# KiCad board SONATA-ONE.kicad_pcb (continued)
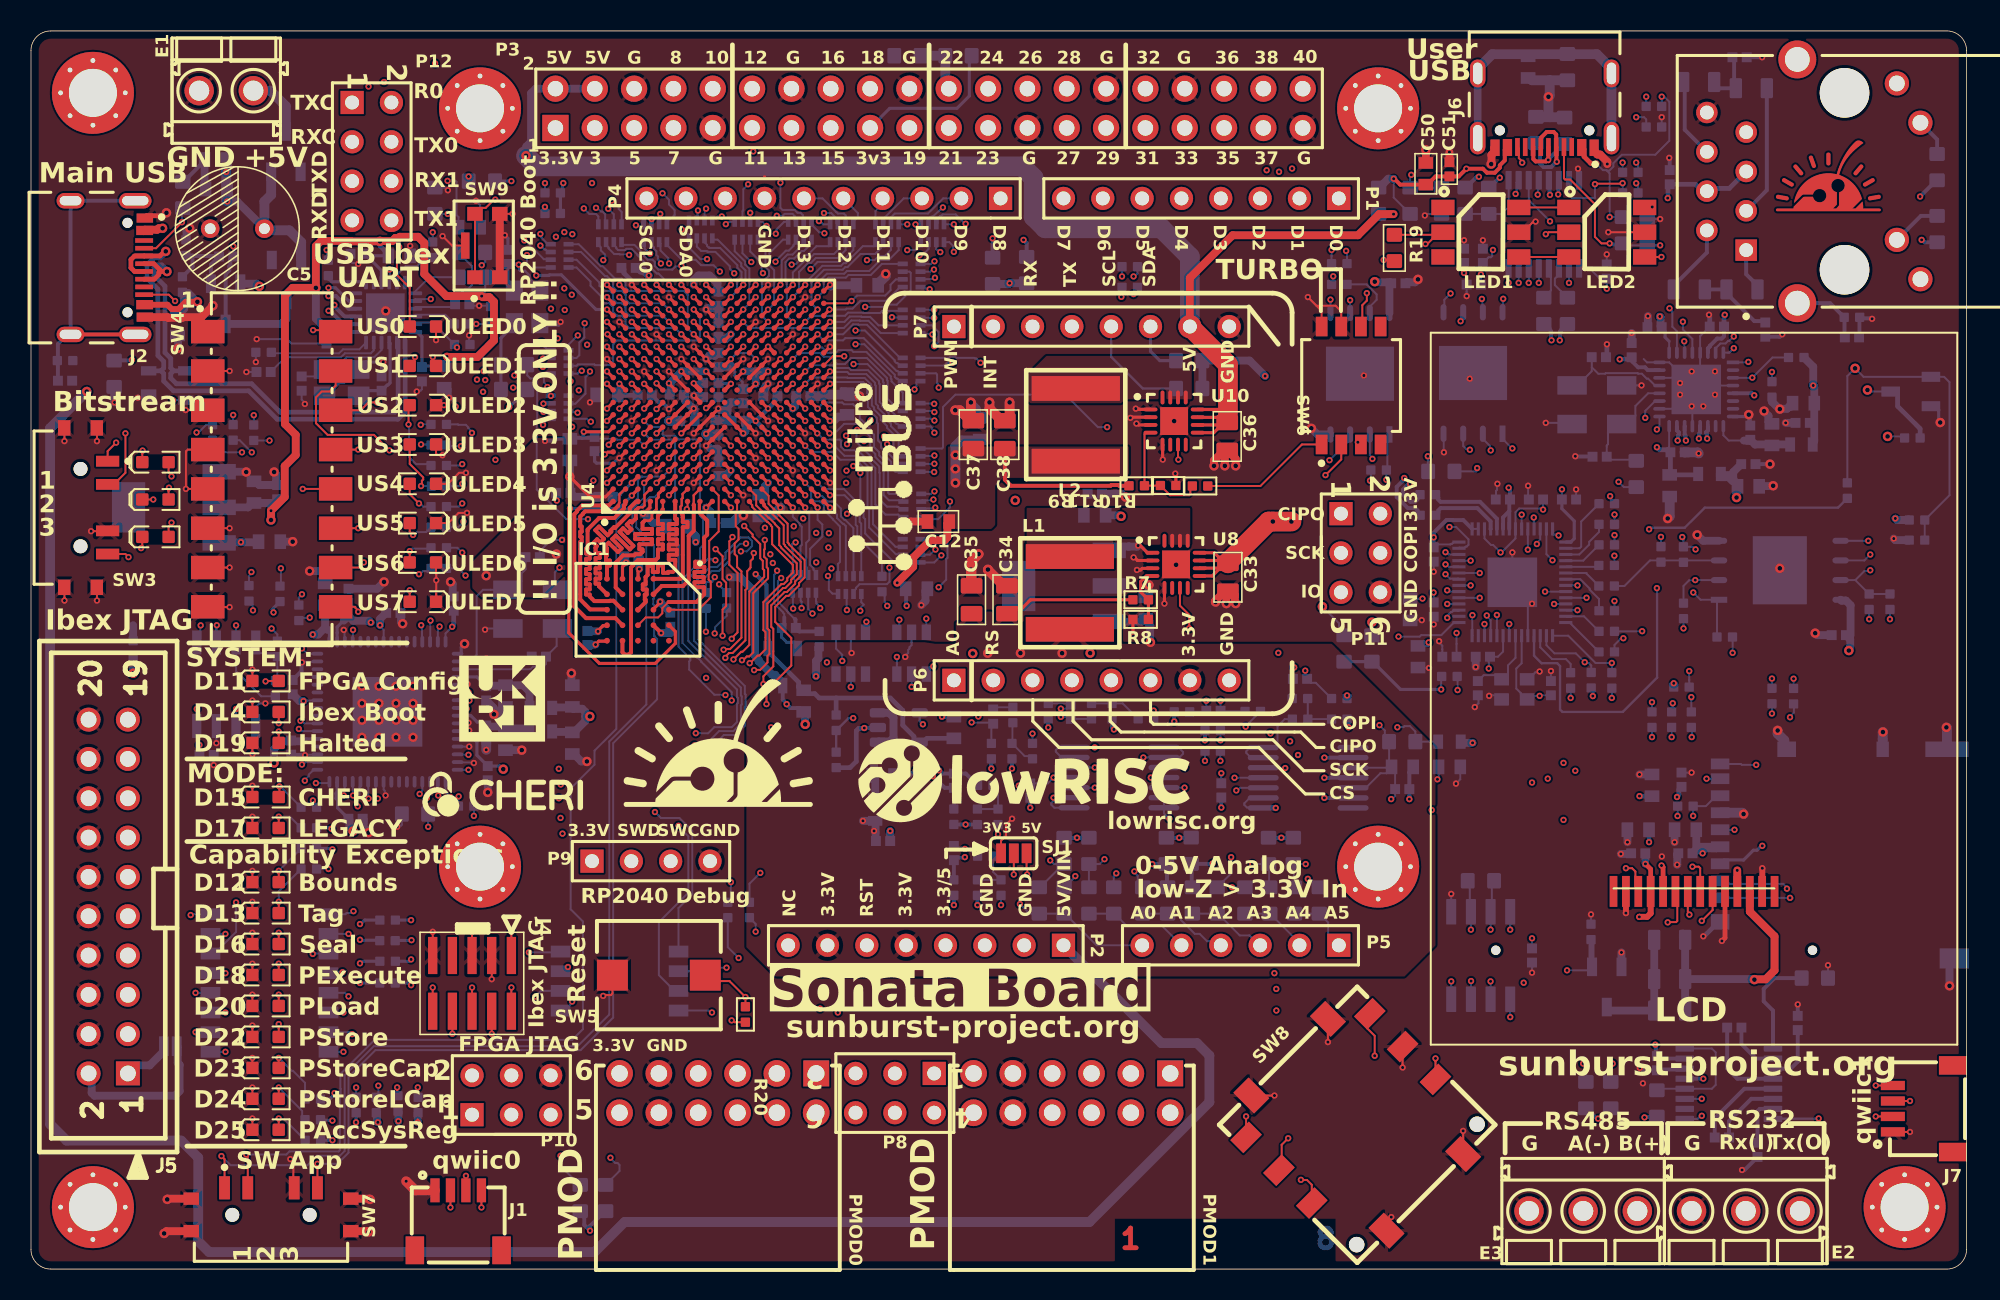
[diagram p0: board, top side]
## Routing (per net, layer and track width the routed paths; a pad name or vN(x,y) marks a point on that pad's centre or on a via; arc(x,y) is an arc through that point) (continued)
/Header Pins/RPH_G22: length 13.3
  In6.Cu w0.127: P3.15 50.86,72.94 50.86,68.79 50.24,68.17 50.24,67.94 49.49,67.19 48.36,67.19 48.26,67.29 48.16,67.29 47.79,67.67 47.79,67.84 47.71,67.92 47.02,67.92 46.6,67.5 44.89,67.5 v2(44.87,67.52)
  Bottom w0.127: v2(44.87,67.52) 44.95,67.52 45.1,67.67 R177.4B
/Header Pins/RPH_G23: length 11.5
  In6.Cu w0.127: v2(48.17,68.06) 48.22,68.11 48.52,68.11 48.68,68.27 48.68,69.92 50.34,71.58 50.34,71.86 50.55,72.07 50.55,75.17 P3.16
  Bottom w0.127: R182.3B 49.32,67.75 49.32,68.04 49.18,68.18 48.68,68.18 48.56,68.07 48.18,68.07 v2(48.17,68.06)
/Header Pins/RPH_G24: length 14.1
  In6.Cu w0.127: v2(48.1,66.9) 48.77,66.9 48.87,66.8 49.46,66.8 50.49,67.83 50.49,68.07 51.3,68.87 51.3,71.5 52.97,73.17 52.97,75.05 P3.18
  Bottom w0.127: v2(48.1,66.9) 48.15,66.95 48.15,67.18 48.63,67.67 R182.4B
/Header Pins/RPH_G25: length 26.5
  In4.Cu w0.127: v2(58.22,60.39) 58.18,60.39 57.92,60.65 57.83,60.65 55.43,63.05 55.43,63.83 55.7,64.09 55.7,64.51 55.43,64.77 55.43,65.19 53.71,66.91 53.71,71.43 55.32,73.04 55.32,74.95 55.4,75.02 58.02,75.02 P3.22
  Bottom w0.127: R183.1B 57.49,60.43 58.17,60.43 v2(58.22,60.39)
  Bottom w0.635: R213.2 R212.1 59.05,76.49 P3.22
/Header Pins/RPH_G26: length 35.2
  In6.Cu w0.127: P3.37 77.78,71.92 77.78,67.32 77.35,66.89 62.36,66.89 62.26,66.99 61.94,66.99 61.84,66.89 51.28,66.89 v2(51.24,66.93)
  Bottom w0.127: R182.1B 50.4,67.49 50.91,66.98 51.19,66.98 v2(51.24,66.93)
/Header Pins/RPH_G27: length 7.4
  In6.Cu w0.127: v2(46.31,70.09) 46.31,70.93 P3.13
  Bottom w0.127: 46.32,70.09 46,69.78 46,68.41 45.95,68.35 R177.3B
/Header Pins/RPH_RXD0: length 11
  In6.Cu w0.127: P3.10 45.32,74.98 45.32,71.89 45.61,71.6 45.61,69.86 45.81,69.66 45.81,69.65 45.83,69.63 arc(45.85,69.59) 45.86,69.54 45.9,68.41 45.9,68.3 45.61,68.01 v2(44.61,68.01)
  Bottom w0.127: v2(44.61,68.01) 44.36,68.01 44.29,67.94 44.1,67.94 44,67.84 44,67.67
/Header Pins/RPH_TXD0: length 10.8
  In6.Cu w0.127: v2(43.6,68.52) 43.55,68.56 43.55,70.18 41.33,72.41 40.61,72.41 40.45,72.57 40.45,74.96 41.49,76 P3.8
  Bottom w0.127: v2(43.6,68.52) 43.5,68.42 43.5,67.67
/Header Pins/SCL0: length 155.4
  Top w0.127: v2(29.09,3.98) J1.4
  In4.Cu w0.127: v2(58.4,49.2) 58.39,49.21 58.2,49.21 57.42,50 57.42,50.82 56.48,51.76 56.48,53.11 54.7,54.89 54.7,61.9 50.97,65.63 45.79,65.63 44.67,66.74 44.06,66.74 42.65,68.15 41.75,68.15 41.24,68.66 40.57,68.66 40.05,69.18 P4.10
  In6.Cu w0.127: 37.85,6.76 38.01,6.93 72.94,6.93 91.22,25.21 91.22,32.58 74.67,49.13 66.61,49.13 66.57,49.17 58.43,49.17 v2(58.4,49.2) ; 37.85,6.76 35.06,3.98 v2(29.09,3.98) ; 37.85,6.76 v2(37.42,7.19)
  Bottom w0.127: v2(37.42,7.19) 37.42,7.17 37.73,6.86 37.88,6.86 38.01,6.72 38.01,6.34 37.52,5.84 37.52,5.82 37.13,5.44 R126.2 ; v2(58.4,49.2) 58.35,49.15 57.55,49.15 R170.2B
/Header Pins/SCL1: length 105.4
  Top w0.127: v2(119.14,11.86) J7.4
  In1.Cu w0.127: v2(119.14,11.86) 116.11,8.83 103.77,8.83 102.14,10.46 v2(102.14,13.28)
  In6.Cu w0.127: v2(58.35,50.25) 61.25,50.25 61.74,50.75 64.57,50.75 64.67,50.85 74.33,50.85 100.6,24.58 111.87,24.58 119.14,17.32 v2(119.14,11.86)
  Bottom w0.127: v2(58.35,50.25) 58.27,50.25 58.11,50.09 57.63,50.09 57.56,50.16 R170.4B ; R128.2 102.02,13.07 102.14,13.2 v2(102.14,13.28)
/Header Pins/SDA0: length 164.9
  Top w0.127: J1.3 v2(28.09,6.02)
  In4.Cu w0.127: P4.9 43.49,69.18 44.22,68.45 44.22,67.59 45.94,65.88 51.08,65.88 54.95,62.01 54.95,54.99 56.73,53.22 56.73,52.55 59.29,49.98 59.29,49.65 v2(59.35,49.6)
  In6.Cu w0.127: 28.52,3.97 29,3.5 37.25,3.5 39.28,5.53 71.9,5.53 91.48,25.11 91.48,32.68 74.78,49.39 67.2,49.39 66.43,50.16 62.34,50.16 61.78,49.6 v2(59.35,49.6) ; 28.52,3.97 31.87,7.32 v2(34.2,7.32) ; 28.52,3.97 28.09,4.41 v2(28.09,6.02)
  Bottom w0.127: R125.2 35.42,5.44 34.2,6.66 v2(34.2,7.32) ; R170.1B 58.12,48.59 58.25,48.45 58.58,48.45 59.33,49.2 59.33,49.58 v2(59.35,49.6)
/Header Pins/SDA1: length 109.2
  Top w0.127: J7.3 v2(121.35,10.86)
  In1.Cu w0.127: v2(121.35,10.86) 118.68,8.19 103.8,8.19 100.24,11.76 v2(100.24,13.28)
  In6.Cu w0.127: v2(58.28,49.72) 58.8,49.72 59.07,50 61.82,50 62.32,50.5 65.06,50.5 65.16,50.6 74.22,50.6 109.6,15.22 109.6,13.62 111.75,11.47 120.74,11.47 v2(121.35,10.86)
  Bottom w0.127: v2(100.24,13.28) 100.42,13.1 R127.2 ; v2(58.28,49.72) 58.23,49.67 57.57,49.67 R170.3B
/Header Pins/SER0_RX: length 26.3
  Top w0.203: v2(39.6,63.6) U4.D18
  In3.Cu w0.127: P12.2 23.65,75.38 23.97,75.06 24.04,75.06 27.66,71.44 30.5,71.44 30.59,71.35 31.5,71.35 31.66,71.19 32.28,71.19 32.53,71.44 35.69,71.44 36.29,70.84 38.08,70.84 38.16,70.77 38.16,67.45 38.02,67.31 38.02,67.24 37.61,66.83 37.61,65.27 38.42,64.46 39.28,64.46 39.51,64.23 39.51,64.02 39.55,63.98 39.55,63.65 v2(39.6,63.6)
/Header Pins/SER0_TX: length 24.8
  Top w0.203: v2(38.8,62.8) U4.C17
  In3.Cu w0.127: P12.4 25.49,72.84 27.15,71.19 28.22,71.19 28.41,71 31.49,71 31.55,70.93 32.38,70.93 32.45,71 34.23,71 34.66,70.56 36.54,70.56 37.9,69.2 37.9,67.55 37.76,67.41 37.76,67.35 37.35,66.94 37.35,65.17 37.76,64.76 37.76,64.7 38.26,64.21 39.12,64.21 39.19,64.13 39.19,63.19 v2(38.8,62.8)
/Header Pins/SER1_RX: length 38.9
  Top w0.152: v2(42,63.6) U4.G18
  In3.Cu w0.127: P12.6 22.95,70.3 22.1,71.15 22.1,76.15 22.19,76.24 22.19,76.69 22.5,77 22.54,77 22.64,77.09 22.96,77.09 23.06,77 24.9,77 26.1,75.8 26.1,73.88 27.98,72 30.7,72 31.13,72.43 35.67,72.43 36.7,71.4 38.4,71.4 38.66,71.14 38.66,67.17 38.12,66.62 38.12,65.48 38.63,64.97 39.79,64.97 39.91,64.85 40.25,64.85 40.8,64.3 41.4,64.3 41.87,63.83 41.87,63.81 42,63.68 v2(42,63.6)
/Header Pins/SER1_TX: length 39.2
  Top w0.203: v2(40.4,63.6) U4.E18
  In3.Cu w0.127: v2(40.4,63.6) 40.4,64 40.29,64.11 40.29,64.36 40.06,64.59 39.81,64.59 39.68,64.72 38.53,64.72 37.86,65.38 37.86,66.73 38.27,67.14 38.27,67.2 38.41,67.34 38.41,71.02 38.34,71.1 36.6,71.1 36,71.7 32.43,71.7 32.17,71.44 31.76,71.44 31.5,71.7 27.9,71.7 25.85,73.75 25.85,74.65 23.8,76.7 v2(22.8,76.7) ; v2(21.8,76.41) 21.85,76.36 21.85,69.19 P12.8
  In4.Cu w0.127: v2(21.8,76.41) 22.43,76.41 22.72,76.7 v2(22.8,76.7)
/IO Banks 14 + 34 + Flash/232_RX: length 89.8
  Top w0.203: U4.N6 v2(47.6,53.2)
  In1.Cu w0.127: v2(55.1,53.8) 55.1,53.81 55.52,53.81 56.83,52.5 56.83,50.22 59.1,47.95 75.58,47.95 81.25,42.28 82.03,42.28 109.3,15.01 109.3,9.97 109.23,9.9 v2(107.9,9.9)
  In4.Cu w0.127: 48,53.6 48.67,53.6 48.81,53.74 48.81,54.2 49.01,54.4 51.9,54.4 52.05,54.25 52.05,54.18 51.99,54.12 51.99,53.58 52.05,53.52 52.05,53.39 52.54,52.91 53.4,52.91 53.6,52.71 53.92,52.71 54.73,53.52 54.81,53.52 v2(55.1,53.8)
  In4.Cu w0.203: v2(47.6,53.2) 48,53.6
  Bottom w0.127: U7.9 107.62,9.7 107.82,9.9 v2(107.9,9.9)
/IO Banks 14 + 34 + Flash/232_TX: length 86.5
  Top w0.203: U4.P3 v2(48.4,50.8)
  In1.Cu w0.127: v2(52.7,48.8) 52.7,45.92 52.9,45.72 60.98,45.72 60.99,45.7 62.3,45.7 62.61,45.39 71.08,45.39 71.26,45.57 73.3,45.57 73.74,46 77.17,46 81.14,42.03 81.92,42.03 98.49,25.46 98.49,24.12 106.98,15.63 106.98,11.92 v2(107.9,11)
  In4.Cu w0.127: v2(52.7,48.8) 50.64,48.8 50.4,49.04 50.4,49.36 50.16,49.59 49.85,49.59 49.61,49.84 49.61,50.15 49.36,50.39 48.81,50.39 v2(48.4,50.8)
  In6.Cu w0.127: v2(48.4,50.8) 47.75,50.15 47.75,48.28 47.4,47.93 v2(47.4,47.9)
  Bottom w0.127: U7.11 v2(107.9,11)
/IO Banks 14 + 34 + Flash/485_DE: length 75.9
  Top w0.203: U4.M4 v2(46.8,51.6)
  In3.Cu w0.127: v2(80.42,18.1) 92.49,18.1 v2(93,18.61)
  In4.Cu w0.127: v2(47.91,45.62) 47.9,45.62 47.45,45.62 47.3,45.76 47.3,46.64 47,46.95 47,46.98 46.75,47.22 46.75,48.39 46.76,48.4 46.76,50.16 46.41,50.51 46.41,51.21 v2(46.8,51.6)
  In6.Cu w0.127: v2(47.91,45.62) 47.86,45.57 47.86,45.36 47.77,45.27 47.77,44.98 47.92,44.84 47.92,44.52 47.79,44.39 47.79,42.48 47.81,42.47 47.81,42.09 48.93,40.96 48.93,40.53 50.77,38.69 50.86,38.69 51.09,38.46 51.09,38.37 53.62,35.84 54.09,35.84 55.41,34.52 55.41,30.84 55.09,30.52 55.09,23.75 57.57,21.28 57.57,19.6 58.56,18.61 79.79,18.61 80.04,18.36 80.13,18.36 80.39,18.1 v2(80.42,18.1)
  Bottom w0.127: U3.3 93,17.45 v2(93,18.61)
/IO Banks 14 + 34 + Flash/485_DI: length 78.5
  Top w0.203: U4.M6 v2(46.8,53.2)
  In3.Cu w0.127: v2(80.43,16.7) 80.03,17.1 80.03,18.52 80.1,18.59 v2(91.72,18.59)
  In6.Cu w0.127: v2(46.8,53.2) 46.41,52.81 46.41,49.97 46.54,49.84 46.54,47.43 46.95,47.03 46.95,47 47.35,46.59 47.35,45.26 47.45,45.17 47.45,42.09 47.95,41.58 47.95,38.91 48.21,38.65 48.21,35.22 48.2,35.21 48.2,30.9 54.84,24.26 54.84,21.97 55.58,21.23 55.58,20.53 58.14,17.97 79.16,17.97 v2(80.43,16.7)
  Bottom w0.127: U3.4 v2(91.72,18.59)
/IO Banks 14 + 34 + Flash/485_REn: length 76.7
  Top w0.203: U4.N4 v2(47.6,51.6)
  In3.Cu w0.127: v2(80.3,19.12) 93.73,19.12 v2(94.26,18.59)
  In4.Cu w0.127: v2(47.6,51.6) 47.2,51.2 47.2,50.6 47.53,50.27 47.53,48.55 47.87,48.21 47.87,47.11 47.79,47.03 47.79,46.65 47.79,46.65 47.79,46.23 v2(47.75,46.19)
  In6.Cu w0.127: v2(80.3,19.12) 80.17,18.99 58.54,18.99 57.82,19.71 57.82,22.17 55.88,24.11 55.88,35.23 51.82,39.29 51.82,39.33 50.75,40.4 49.85,40.4 48.06,42.19 48.06,43.49 48.79,44.22 48.79,44.44 48.84,44.49 48.84,44.82 48.79,44.86 48.79,45.46 48.12,46.14 47.8,46.14 v2(47.75,46.19)
  Bottom w0.127: U3.2 v2(94.26,18.59)
/IO Banks 14 + 34 + Flash/485_RO: length 74.6
  Top w0.203: U4.R2 v2(49.2,50)
  In1.Cu w0.127: v2(51.5,46.63) 51.44,46.57 51.44,46.24 51.4,46.2 51.4,45.95 51.69,45.66 51.86,45.66 52.78,44.74 58.6,44.74 59.25,44.09 69.65,44.09 70.69,43.05 71.87,43.05 72.65,42.28 74.41,42.28 74.43,42.3 78.86,42.3 79.39,41.77 81.82,41.77 84.46,39.13 84.46,38.32 87.48,35.31 87.48,35.21 88.49,34.2 88.49,29.89 92.51,25.87 94.06,25.87 97.74,22.18 97.74,18.49 v2(95.53,16.28)
  In4.Cu w0.127: v2(49.2,50) 49.2,49.92 49.35,49.77 49.35,49.73 49.59,49.49 49.59,48.79 49.2,48.4 49.06,48.4 48.81,48.15 48.81,47.61 49.07,47.35 50.12,47.35 50.84,46.63 v2(51.5,46.63)
  Bottom w0.127: v2(95.53,16.28) U3.1
/IO Banks 14 + 34 + Flash/APPSPI_CLK: length 17.3
  Top w0.203: v2(37.2,54.8) U4.A8
  In6.Cu w0.127: v2(44.16,44.71) 42.01,44.71 35.93,50.79 35.93,52.16 36.35,52.58 36.35,53.95 v2(37.2,54.8)
  Bottom w0.127: v2(44.16,44.71) 44.16,44.63 44,44.48 44,44.39 43.6,44.39 43.6,43.7 R52.2
/IO Banks 14 + 34 + Flash/APPSPI_CS: length 166.9
  Top w0.203: v2(39.6,57.2) U4.D10
  In3.Cu w0.127: v2(109.89,39.82) 109.89,37.75 106.12,33.98 105.34,33.98 103.36,32 103.36,29.12 98.59,24.34 98.59,20.85 98.46,20.72 98.46,20.3 98.59,20.18 98.59,12.34 90.97,4.72 86.28,4.72 85.7,4.13 81.53,4.13 80.94,4.72 36.24,4.72 32.62,8.34 32.62,17.11 33.78,18.26 33.78,22.84 34.72,23.78 34.72,28.3 34.38,28.64 34.15,28.64 33.81,28.99 33.81,30.14 v2(34.09,30.42)
  In4.Cu w0.127: v2(39.6,57.2) 39.21,57.59 39.21,58.15 38.95,58.41 37.04,58.41 36.47,58.97 34.72,58.97 34.46,59.22 32.7,59.22 32.17,58.69 32.17,41.4 33.69,39.88 33.69,30.8 34.07,30.42 v2(34.09,30.42)
  Bottom w0.127: R50.2 109.89,40.83 v2(109.89,39.82)
/IO Banks 14 + 34 + Flash/APPSPI_D0: length 22.2
  Top w0.203: v2(38.8,58) U4.C11
  In6.Cu w0.127: v2(38.8,58) 38.39,57.59 37.04,57.59 36.65,57.21 36.65,56.37 36.75,56.27 36.75,55.73 36.65,55.63 36.65,54.69 36.09,54.14 36.09,52.68 35.67,52.26 35.67,50.68 42.11,44.24 v2(44.44,44.24)
  Bottom w0.127: v2(44.44,44.24) 44.44,44.19 R47.1
/IO Banks 14 + 34 + Flash/APPSPI_D1: length 161.2
  Top w0.203: v2(38.8,57.2) U4.C10
  In3.Cu w0.127: v2(106.72,41.4) 106.64,41.4 106.43,41.61 103.89,41.61 103.38,41.11 103.38,40.06 102.88,39.56 101.93,39.56 101.26,38.89 101.26,36.86 101.1,36.7 101.1,33.01 98.08,29.99 98.08,21.06 97.95,20.93 97.95,20.09 98.08,19.97 98.08,12.63 90.68,5.23 86.07,5.23 85.49,4.64 81.74,4.64 81.15,5.23 41.39,5.23 34.84,11.78 34.84,14.52 34.28,15.07 34.28,22.62 35.23,23.56 35.23,31.18 v2(34.09,32.33)
  In4.Cu w0.127: v2(34.09,32.33) 34.06,32.35 34.06,32.6 33.95,32.71 33.95,39.98 32.42,41.51 32.42,57.78 32.5,57.85 33.17,57.85 34.03,58.71 36.3,58.71 36.79,58.23 36.79,57.85 37.04,57.61 37.41,57.61 37.42,57.59 38.65,57.59 38.75,57.5 38.75,57.25 v2(38.8,57.2)
  Bottom w0.127: v2(106.72,41.4) R48.1
/IO Banks 14 + 34 + Flash/APPSPI_D2: length 195.7
  Top w0.203: v2(37.2,57.2) U4.A10
  In3.Cu w0.127: v2(34.21,31.31) 32.55,29.65 32.55,20.3 31.92,19.67 31.92,12.95 31.97,12.9 31.97,8.28 36.11,4.13 80.81,4.13 81.32,3.62 85.91,3.62 86.42,4.13 95.29,4.13 100.81,9.66 100.81,10.41 102.79,12.39 102.79,17.27 99.79,20.28 99.21,20.28 99.02,20.46 99.02,20.57 99.1,20.64 99.1,24.13 103.61,28.64 103.67,28.64 106.71,31.68 107.65,31.68 111.23,35.26 112.56,35.26 112.59,35.3 113.01,35.3 113.04,35.26 114.48,35.26 120.98,41.77 120.98,41.87 116.87,45.99 116.87,46.75 116.17,47.45 112.21,47.45 110.75,45.99 108.73,45.99 108.22,46.5 v2(107.5,46.5)
  In4.Cu w0.127: v2(37.2,57.2) 37.12,57.2 36.97,57.35 36.93,57.35 36.54,57.75 36.54,58.12 36.2,58.46 34.14,58.46 33.28,57.6 32.75,57.6 32.68,57.52 32.68,41.61 34.2,40.09 34.2,33.71 34.34,33.57 34.34,33.03 34.48,32.89 34.48,31.6 34.21,31.33 v2(34.21,31.31)
  Bottom w0.127: v2(106.64,47.3) 106.7,47.24 106.7,47.14 106.72,47.12 R49.1 107.33,46.67 v2(107.5,46.5)
/IO Banks 14 + 34 + Flash/APPSPI_D3: length 174
  Top w0.203: v2(37.2,55.6) U4.A9
  In3.Cu w0.127: v2(34.33,28.13) 33.22,27.03 33.22,20.61 32.17,19.57 32.17,13.1 32.22,13.06 32.22,8.38 36.14,4.47 80.84,4.47 81.43,3.88 85.8,3.88 86.39,4.47 93.89,4.47 102.54,13.11 102.54,17.17 99.68,20.02 99.1,20.02 98.72,20.41 98.72,20.62 98.84,20.75 98.84,24.24 107.86,33.26 108.09,33.26 113.37,38.54 116.67,38.54 118.78,40.65 118.78,40.72 v2(120.05,41.99)
  In4.Cu w0.127: v2(37.2,55.6) 36.09,56.71 36.09,56.87 35.66,57.29 35.34,57.29 35.02,56.97 34.99,56.97 34.54,56.52 34.54,54.93 34.3,54.69 34.3,54.66 34.21,54.56 34.21,54.24 34.23,54.22 34.23,53.05 33.18,52.01 33.18,42.23 35.24,40.17 35.24,40.02 35.5,39.77 35.5,38.96 35.65,38.81 35.65,38.19 35.5,38.04 35.5,36.17 35.34,36.02 35.34,35.4 35.5,35.24 35.5,33.71 35.09,33.31 35.09,32.83 34.99,32.73 34.99,28.79 v2(34.33,28.13)
  Bottom w0.127: v2(120.05,41.99) R51.1
/IO Banks 14 + 34 + Flash/CHERIERR0: length 108
  Top w0.127: v2(44.21,46.51) 44.66,46.06 44.66,44.58 44.89,44.35 44.89,42.84 44.66,42.62 v2(44.66,40.92)
  Top w0.203: U4.K6 v2(45.2,53.2)
  In4.Cu w0.127: v2(44.66,40.92) 44.74,40.92 44.94,41.12 45.96,41.12 46.19,41.36 47.21,41.36 47.62,40.95 48.22,40.95 48.71,40.46 49.07,40.46 50.31,39.23 50.31,38.14 50.71,37.73 50.71,35.91 51,35.62 51,34.78 50.71,34.49 50.71,26.55 37.88,13.72 23.75,13.72 21.95,11.92 21.95,9.52 19.85,7.42 18.75,7.42 18.71,7.46 17.36,7.46 10.63,14.19 10.63,15.26 10.65,15.28 ; 10.65,15.28 10.68,15.31 16.04,15.31 18.59,17.86 18.59,26.24 v2(19.47,27.12) ; 10.65,15.28 v2(10.63,15.31)
  In6.Cu w0.127: v2(44.21,46.51) 44.19,46.51 43.66,47.04 43.66,48.71 44.04,49.09 44.04,52.28 44.91,53.15 45.15,53.15 v2(45.2,53.2)
  Bottom w0.127: v2(10.63,15.31) 11.59,15.31
  Bottom w0.203: v2(19.47,27.12) 19.41,27.18 R139.1
/IO Banks 14 + 34 + Flash/CHERIERR1: length 98.1
  Top w0.127: U4.L1 45.6,49 45.52,48.92 45.52,48 45.69,47.82 45.69,47.14 45.44,46.89 45.44,46.2 45.6,46.04 45.6,45.36 45.88,45.08 45.88,40.8 45.14,40.06 44.77,40.06 v2(44.73,40.02)
  In4.Cu w0.127: v2(19.21,25.85) 19.21,18.13 15.13,14.04 v2(12.56,14.04) 12.56,12.61 17.46,7.71 18.82,7.71 18.86,7.67 19.75,7.67 21.69,9.62 21.69,12.03 23.64,13.97 37.78,13.97 50.46,26.65 50.46,34.6 50.75,34.89 50.75,35.51 50.46,35.8 50.46,37.63 50.05,38.03 50.05,39.12 49.08,40.1 48.24,40.1 47.84,40.5 46.67,40.5 46.14,39.97 44.78,39.97 v2(44.73,40.02)
  Bottom w0.127: 11.59,14.04 v2(12.56,14.04) ; R141.1 v2(19.21,25.85)
/IO Banks 14 + 34 + Flash/CHERIERR2: length 59.5
  Top w0.127: U4.M1 46.4,49.54 46.58,49.36 46.58,49.24 47.53,48.29 47.56,48.29 47.79,48.06 47.79,48.03 47.86,47.96 47.86,46.84 49.2,45.5 49.2,45 48.84,44.64 48.84,44.49 48.61,44.26 48.46,44.26 47.3,43.1 47.3,41.29 47.43,41.16 47.43,40.04 47.03,39.64 46.92,39.64 46.43,39.15 v2(46.41,39.15)
  In4.Cu w0.127: v2(24.55,22.55) 23.9,21.9 23.9,19.74 25.05,18.58 26.11,18.58 28.56,16.13 37.88,16.13 45.59,23.84 45.68,23.84 46.65,24.81 46.65,38.15 46.31,38.48 46.31,38.97 46.41,39.07 v2(46.41,39.15)
  Bottom w0.203: R143.1 v2(24.55,22.55)
/IO Banks 14 + 34 + Flash/CHERIERR3: length 56.2
  Top w0.127: v2(45.3,47.3) 45.3,47.22 45.1,47.02 45.1,45.5 45.63,44.97 45.63,41.14 45.25,40.76 v2(45.25,40.73)
  Top w0.203: U4.K3 v2(45.2,50.8)
  In4.Cu w0.127: v2(24.57,21.25) 25.56,20.26 25.86,20.26 29.23,16.89 37.56,16.89 45.28,24.61 45.36,24.61 45.59,24.84 45.59,24.92 45.88,25.21 45.88,37.48 44.69,38.68 44.61,38.68 44.11,39.18 44.11,39.95 44.57,40.41 44.89,40.41 44.94,40.36 45.01,40.36 45.1,40.45 45.1,40.53 45.25,40.69 v2(45.25,40.73)
  In6.Cu w0.127: v2(45.2,50.8) 44.81,50.41 44.81,49.02 44.95,48.88 44.95,47.65 v2(45.3,47.3)
  Bottom w0.203: R145.1 23.54,21.23 24.56,21.23 v2(24.57,21.25)
/IO Banks 14 + 34 + Flash/CHERIERR4: length 55.6
  Top w0.127: v2(44.84,39.49) 44.84,39.57 45.07,39.8 45.07,39.81 45.31,39.81 46.14,40.63 46.14,43.88 46.25,44 46.25,45.09 46.41,45.24 46.41,45.26 46.47,45.33 46.47,45.75 46.62,45.91 46.62,46.21 v2(46.68,46.26)
  Top w0.203: U4.L3 v2(46,50.8)
  In4.Cu w0.127: v2(46,50.8) 46.05,50.75 46.05,50.5 46.51,50.05 46.51,48.5 46.5,48.49 46.5,47.12 46.64,46.98 46.64,46.31 v2(46.68,46.26) ; v2(24.55,20.01) 25.75,20.01 29.12,16.64 37.67,16.64 45.38,24.35 45.47,24.35 45.85,24.73 45.85,24.82 46.14,25.11 46.14,37.93 45.07,39 45.07,39.02 44.9,39.2 44.9,39.44 v2(44.84,39.49)
  Bottom w0.203: R146.1 24.43,19.89 v2(24.55,20.01)
/IO Banks 14 + 34 + Flash/CHERIERR5: length 58.9
  Top w0.127: v2(47.5,36.5) 47.5,37.39 49.1,38.99 49.1,40.78 48.06,41.82 48.06,42.78 48.77,43.5 48.93,43.5 49.6,44.17 49.6,44.33 49.96,44.68 49.96,45.82 48.95,46.83 48.95,46.87 48.87,46.95 48.87,48.16 48.01,49.02 48.01,49.08 47.63,49.45 47.63,49.97 U4.N2
  In4.Cu w0.127: v2(47.5,36.5) 48.4,35.61 48.59,35.61 49,35.2 49,34.78 49.44,34.34 49.44,27.21 38.11,15.87 27.02,15.87 v2(24.55,18.34)
  Bottom w0.203: R148.1 24.35,18.48 24.49,18.34 v2(24.55,18.34)
/IO Banks 14 + 34 + Flash/CHERIERR6: length 63.5
  Top w0.127: 47.54,49.14 48.61,48.06 48.61,46.85 48.7,46.76 48.7,46.72 49.71,45.71 49.71,44.79 49.35,44.43 49.35,44.28 48.82,43.75 48.67,43.75 47.81,42.89 47.81,41.5 47.94,41.37 47.94,38.94 47.3,38.3 v2(47.3,37.8)
  Top w0.203: U4.N1 47.2,49.56 47.34,49.42 47.34,49.33 47.54,49.14
  In4.Cu w0.127: v2(47.3,37.8) 47.34,37.76 47.34,37.41 49.25,35.49 49.25,34.89 49.69,34.45 49.69,26.97 37.46,14.74 23.09,14.74 19.99,11.64 19.9,11.64 19.63,11.37 v2(19.61,11.37)
  Bottom w0.203: v2(19.61,11.37) 19.57,11.33 19.57,11.25 19.3,10.98 R150.1
/IO Banks 14 + 34 + Flash/CHERIERR7: length 73.6
  Top w0.127: v2(47.39,47.11) 47.39,46.53 47.35,46.49 47.35,46.03 47.52,45.86 47.52,45.35 47.6,45.26 47.6,44.63 46.65,43.67 46.65,39.84 46.38,39.58 46.23,39.58 45.99,39.34 v2(45.92,39.34)
  Top w0.203: U4.M3 v2(46.8,50.8)
  In4.Cu w0.127: v2(45.92,39.34) 45.99,39.34 46.23,39.58 46.38,39.58 46.53,39.72 46.53,39.88 46.88,40.24 47.74,40.24 48.14,39.84 48.97,39.84 49.76,39.06 49.76,37.97 50.2,37.52 50.2,35.7 50.5,35.41 50.5,34.99 50.2,34.7 50.2,26.76 37.67,14.23 23.54,14.23 21.39,12.09 21.39,10.44 20.6,9.64 20.6,8.9 19.63,7.93 19.3,7.93 19.07,8.16 19.07,9.2 v2(19.47,9.59) ; v2(47.39,47.11) 47.38,47.11 47,47.49 47,48.28 47.01,48.29 47.01,50.26 46.85,50.42 46.85,50.75 v2(46.8,50.8)
  Bottom w0.203: v2(19.47,9.59) 19.44,9.62 18.73,9.62 R152.1
/IO Banks 14 + 34 + Flash/CHERIERR8: length 70.7
  Top w0.127: U4.M2 46.83,49.97 46.83,49.34 47.63,48.55 47.67,48.55 48.04,48.17 48.04,48.13 48.32,47.86 48.32,46.78 48.44,46.66 48.44,46.62 49.45,45.61 49.45,44.89 49.1,44.54 49.1,44.38 48.72,44 48.56,44 47.55,42.99 47.55,41.39 47.69,41.26 47.69,39.74 47.57,39.62 47.57,39.19 47.09,38.72 46.72,38.72 v2(46.7,38.7)
  In4.Cu w0.127: v2(46.7,38.7) 47.07,39.07 47.37,39.07 47.68,39.38 47.68,39.51 47.76,39.59 48.87,39.59 49.5,38.95 49.5,34.99 49.95,34.55 49.95,26.86 37.57,14.48 23.19,14.48 20.34,11.63 20.34,9.2 v2(19.47,8.32)
  Bottom w0.203: R154.1 v2(19.47,8.32)
/IO Banks 14 + 34 + Flash/FPGAIO_TURBO: length 47.2
  Top w0.127: SW6.2 84.62,52.32 v2(83.6,51.3)
  Top w0.203: U4.T4 v2(50,51.6)
  In1.Cu w0.127: v2(83.6,51.3) 82.4,50.1 82.4,48.13 80.97,46.7 78.2,46.7 74.3,50.6 73.7,50.6 70.32,53.98 63.22,53.98 62.4,54.8 59.2,54.8 59,55 59,55.79 58.49,56.3 57.6,56.3 56.6,55.3 53.1,55.3 52.2,54.4 52.2,52.44 51.76,52 50.4,52 v2(50,51.6)
/IO Banks 14 + 34 + Flash/LCD_BACKLIGHT: length 76.6
  Top w0.203: U4.N5 v2(47.6,52.4)
  In1.Cu w0.127: v2(96.4,18.5) 96.35,18.55 96.22,18.55 96.2,18.57 96.2,21.82 95.27,22.75 95.15,22.75 88.24,29.66 88.24,32.96 84.39,36.81 84.39,37.13 81.08,40.44 80.36,40.44 78.75,42.05 74.53,42.05 74.51,42.03 72.54,42.03 71.77,42.8 58.16,42.8 57.06,43.9 51.7,43.9 47.99,47.61 47.99,52.01 v2(47.6,52.4)
  In4.Cu w0.127: v2(99.2,19.3) 98.66,18.76 96.7,18.76 96.44,18.5 v2(96.4,18.5)
  Bottom w0.127: v2(99.2,19.3) 100.55,19.3 100.78,19.53 100.78,19.56
  Bottom w0.381: R133.1 100.78,21.25 100.78,19.56
/IO Banks 14 + 34 + Flash/LCD_CLK: length 81.1
  Top w0.127: 106.25,24.35 106.2,24.3 LCD1.9 106.32,24.28 106.32,22.49 106.24,22.42 105.72,22.42 v2(105.7,22.4)
  Top w0.203: U4.R5 v2(49.2,52.4)
  In4.Cu w0.127: v2(49.26,47.99) 49.29,47.96 54.41,47.96 55.87,46.5 56.73,46.5 59.69,43.54 65.1,43.54 66.09,44.53 71.69,44.53 71.86,44.7 76.82,44.7 84.06,37.46 88.95,37.46 90.56,35.84 90.81,35.84 92.26,34.39 100,34.39 100.24,34.16 100.24,26.61 102.11,24.74 103.73,24.74 104.92,23.56 104.92,22.68 105.2,22.4 v2(105.7,22.4)
  In6.Cu w0.127: v2(49.26,47.99) 49.24,47.99 48.8,48.43 48.8,52 v2(49.2,52.4)
/IO Banks 14 + 34 + Flash/LCD_COPI: length 78.6
  Top w0.127: v2(107.1,22.9) 107.1,22.98 107,23.08 107,24.59
  Top w0.203: U4.R3 v2(49.2,50.8)
  In4.Cu w0.127: v2(49.2,50.8) 49.28,50.8 49.43,50.65 49.56,50.65 49.8,50.41 50.95,50.41 51.2,50.16 51.2,49.84 51.45,49.59 52.32,49.59 52.39,49.52 53.09,49.52 54.14,48.47 54.62,48.47 56.08,47 56.94,47 59.9,44.05 64.82,44.05 66.24,45.47 71.16,45.47 71.28,45.59 71.37,45.59 71.6,45.82 71.6,45.91 71.69,46 76.23,46 84.27,37.96 89.16,37.96 90.77,36.35 91.02,36.35 92.47,34.9 100.21,34.9 100.85,34.27 100.85,26.77 102.36,25.25 105.71,25.25 107.1,23.86 v2(107.1,22.9)
/IO Banks 14 + 34 + Flash/LCD_CS: length 74.7
  Top w0.127: v2(103,25.9) 103.4,25.9 103.61,25.69 103.61,24.59 LCD1.12
  Top w0.203: U4.P5 v2(48.4,52.4)
  In4.Cu w0.127: v2(103,25.9) 102.95,25.85 102.81,25.85 102.79,25.82 102.68,25.82 101.1,27.4 101.1,34.37 100.32,35.16 92.57,35.16 91.12,36.6 90.88,36.6 89.27,38.22 84.38,38.22 76.24,46.35 71.34,46.35 71.32,46.38 65.51,46.38 63.43,44.3 60.01,44.3 57.05,47.26 56.19,47.26 54.73,48.72 54.24,48.72 53.2,49.77 52.5,49.77 52.37,49.9 52.27,49.9 51.77,50.39 51.38,50.39 51.2,50.57 51.2,51.06 51.07,51.2 49.69,51.2 49.6,51.29 49.6,51.86 49.45,52.01 48.91,52.01 48.67,52.25 48.63,52.25 48.48,52.4 v2(48.4,52.4)
/IO Banks 14 + 34 + Flash/LCD_DC: length 75
  Top w0.127: LCD1.7 107.8,25.9 107.7,26 v2(107.3,26)
  Top w0.203: U4.U4 v2(50.8,51.6)
  In4.Cu w0.127: v2(50.8,51.6) 50.85,51.55 51.1,51.55 51.45,51.19 51.76,51.19 51.99,50.96 51.99,50.53 52.37,50.15 52.47,50.15 52.6,50.02 53.3,50.02 54.35,48.97 55.8,48.97 56.23,48.55 56.23,48.44 56,48.21 56,47.8 56.29,47.51 57.27,47.51 57.65,47.13 71.03,47.13 71.04,47.14 75.81,47.14 84.48,38.47 89.37,38.47 90.99,36.86 91.23,36.86 92.68,35.41 100.42,35.41 102.28,33.55 102.28,26.66 102.65,26.29 103.16,26.29 103.72,25.74 105.08,25.74 105.14,25.68 105.46,25.68 105.52,25.74 107.01,25.74 107.27,26 v2(107.3,26)
/IO Banks 14 + 34 + Flash/LCD_RST: length 82
  Top w0.127: LCD1.6 108.6,23.2 v2(107.9,22.5)
  Top w0.203: U4.R6 v2(49.2,53.2)
  In4.Cu w0.127: v2(107.9,22.5) 106.33,22.5 104.89,23.94 104.89,24.14 104.03,25 102.26,25 100.59,26.66 100.59,34.16 100.11,34.65 92.36,34.65 90.91,36.1 90.67,36.1 89.06,37.71 84.17,37.71 76.93,44.95 71.76,44.95 71.59,44.78 65.99,44.78 65,43.79 59.8,43.79 56.84,46.75 55.98,46.75 54.52,48.21 50.15,48.21 v2(49.87,48.5)
  In6.Cu w0.127: v2(49.87,48.5) 49.87,48.51 49.59,48.78 49.59,52.81 v2(49.2,53.2)
/IO Banks 14 + 34 + Flash/LED_BOOTOK: length 61.7
  Top w0.203: U4.L5 v2(46,52.4)
  In3.Cu w0.127: v2(15.66,42.43) 17.24,42.43 17.93,43.12 21.4,43.12 22.07,42.45 25.51,42.45 25.65,42.31 28.94,42.31 35.6,35.65 35.6,35.5 35.89,35.21 36.03,35.21 37.02,34.23 43.01,34.23 43.31,33.93 43.31,33.74 v2(43.36,33.68)
  In6.Cu w0.127: v2(46,52.4) 45.61,52.01 45.61,51.47 45.59,51.45 45.59,51.44 45.36,51.2 44.9,51.2 44.55,50.85 44.55,48.88 44.17,48.5 44.17,47.47 45.28,46.36 45.84,46.36 v2(45.85,46.37)
  Bottom w0.127: v2(45.85,46.37) 46.23,46.37 46.57,46.72 46.57,47.04 46.34,47.27 45.83,47.27 44.85,46.29 44.85,45.89 44.31,45.36 43.85,45.36 42.84,44.35 42.84,40.58 45.85,37.57 45.85,37.07 45.9,37.01 45.9,36.47 45.85,36.42 45.85,35.24 45.36,34.76 44.44,34.76 v2(43.36,33.68)
  Bottom w0.203: R158.1 15.58,42.63 15.62,42.59 15.62,42.47 v2(15.66,42.43)
/IO Banks 14 + 34 + Flash/LED_CHERI: length 79.5
  Top w0.127: v2(46.06,48.01) 46.6,47.47 46.6,47.33 47.1,46.84 47.1,45.92 47.26,45.76 47.26,45.24 47.35,45.16 47.35,44.73 46.39,43.78 46.39,40.33 45.95,39.89 45.86,39.89 v2(45.37,39.39)
  Top w0.203: U4.L4 v2(46,51.6)
  In4.Cu w0.127: v2(45.37,39.39) 45.37,39.07 46.39,38.04 46.39,25 46.1,24.71 46.1,24.63 45.57,24.1 45.49,24.1 37.77,16.38 29.02,16.38 26.56,18.84 25.16,18.84 24.15,19.84 24.15,21.6 24.94,22.38 24.94,26.54 24.71,26.77 24.71,30.93 21.78,33.85 19.24,33.85 18.79,33.4 18.79,30.86 v2(18.21,30.28)
  In6.Cu w0.127: v2(46.06,48.01) 46,48.01 45.52,48.5 45.52,48.92 45.6,49 45.6,50.96 45.95,51.3 45.95,51.55 v2(46,51.6)
  Bottom w0.203: R155.1 18.25,30.04 18.25,30.18 18.21,30.22 v2(18.21,30.28)
